# Altium PCB JP-LED.PcbDoc (part 1 of 2)
Units mm, origin at the board's own origin, x right, y up, seen from the top; angles counter-clockwise.
Board outline 116.58 x 76.58 mm, 2 copper layers (Top Layer, Bottom Layer); 109 components, 22 nets, 244 pads, 139 vias.
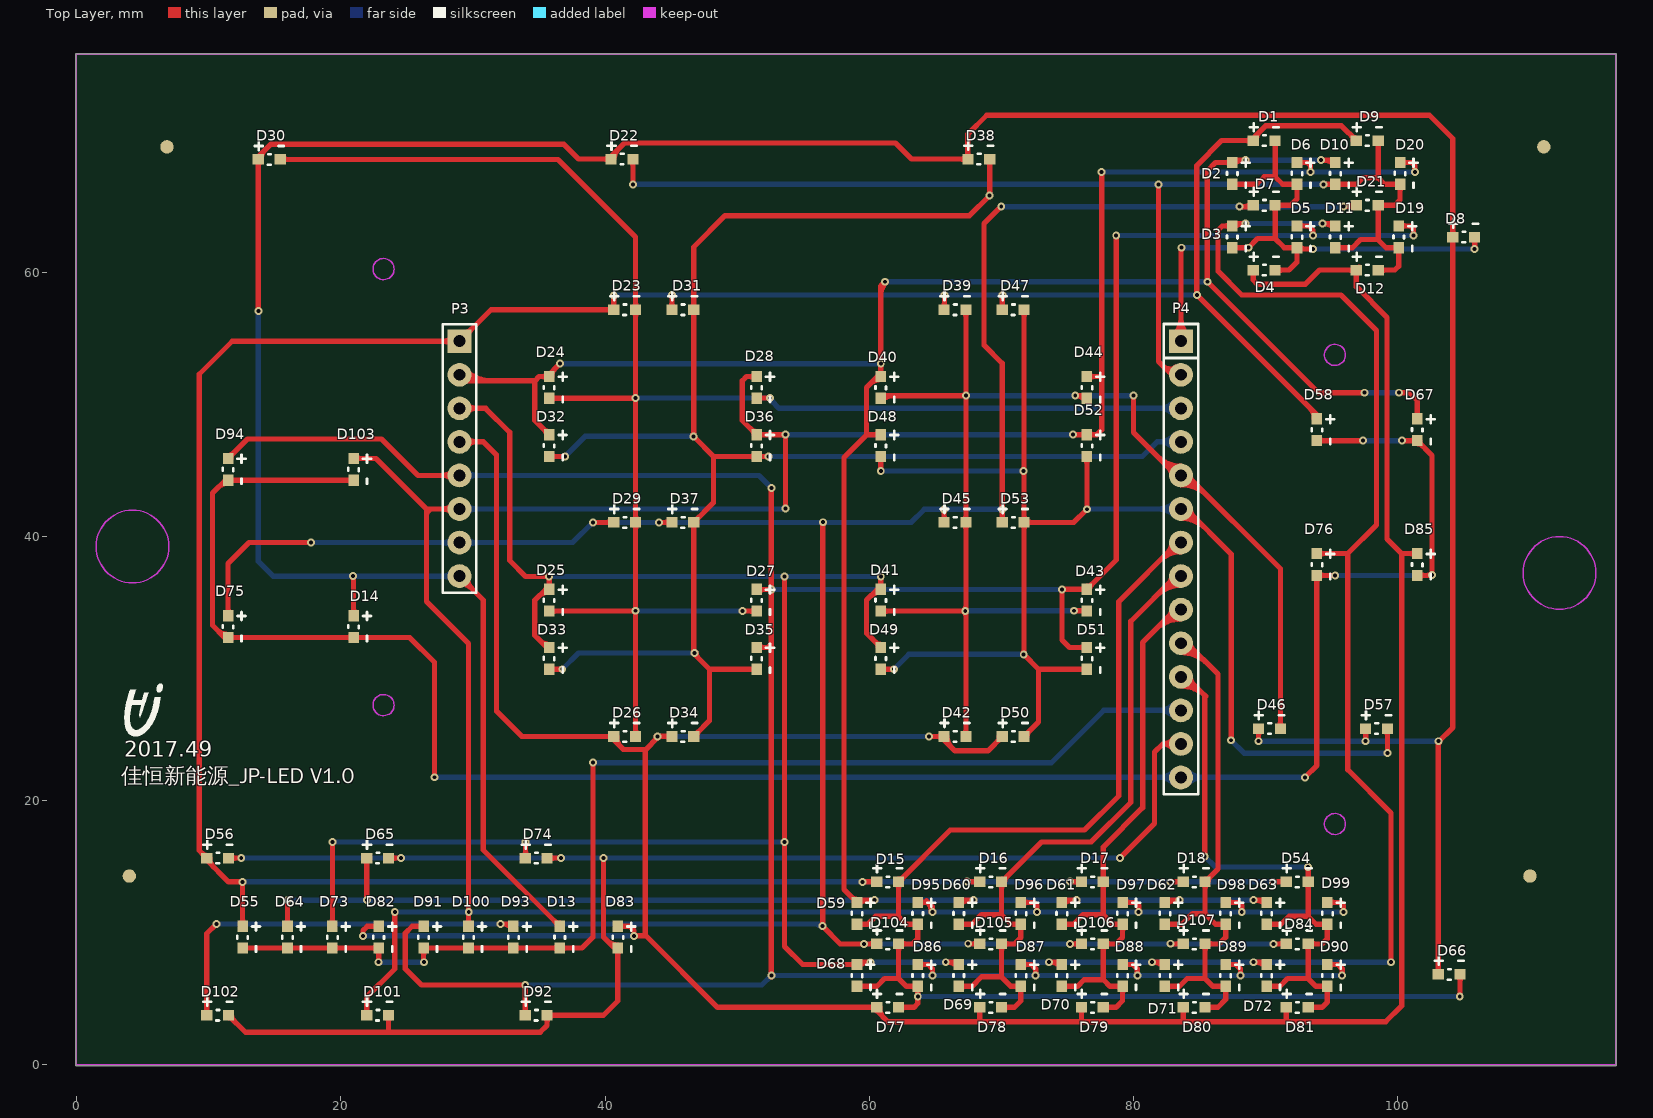
[diagram p0: Top Layer view]
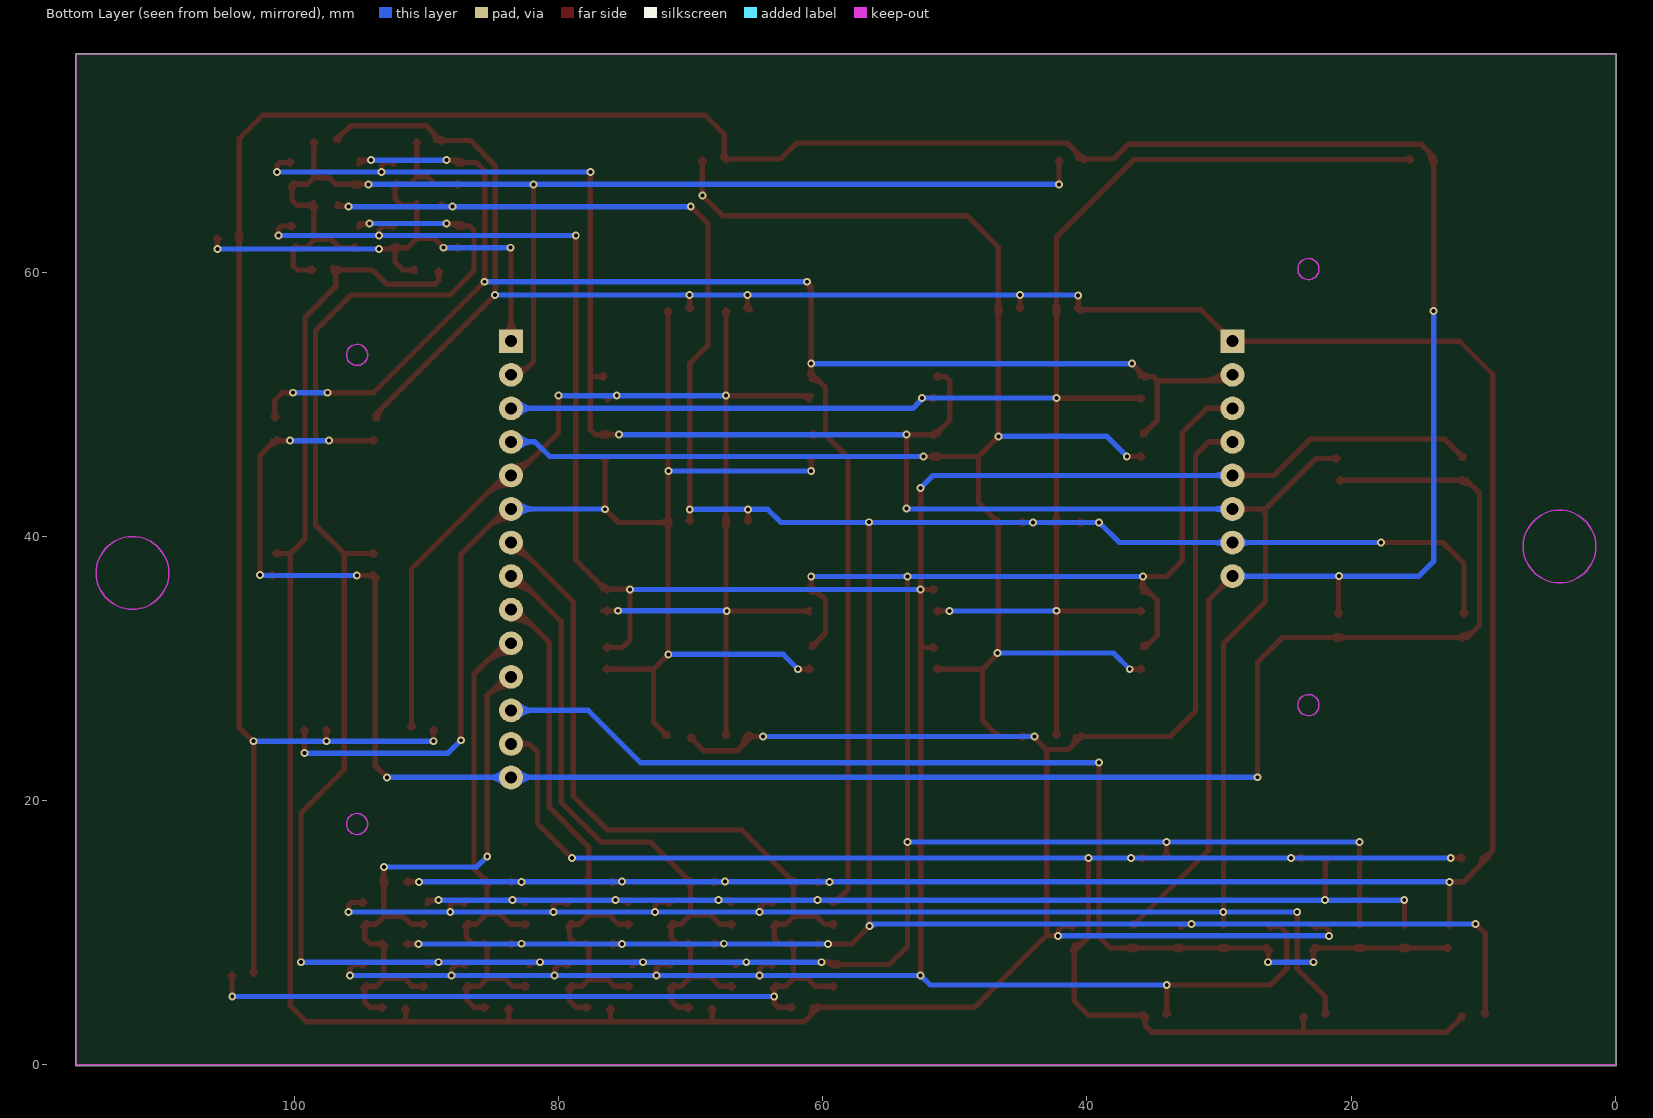
[diagram p1: Bottom Layer view, seen from below]

## Layer stack, top to bottom
Top Solder: solder mask 0.0102, Solder Resist, Dk 3.5
Top Layer: signal copper 0.0356
Dielectric1: dielectric 0.32, FR-4, Dk 4.8
Bottom Layer: signal copper 0.0356
Bottom Solder: solder mask 0.0102, Solder Resist, Dk 3.5

## Board outline
-0.05,0 ccw(c0,0) 0,-0.05 116.476,-0.05 ccw(c116.476,0) 116.526,0 116.526,76.476 ccw(c116.476,76.476) 116.476,76.526 0,76.526 ccw(c0,76.476) -0.05,76.476

## Design rules (kind name [scope] priority, off if disabled: settings)
Clearance [All] p1: gap=0.3
HoleSize [All] p1: absolutevalues=TRUE maxlimit=254 minlimit=0 maxpercent=80.000 minpercent=20.000
MinimumSolderMaskSliver [All] p1 off: minsoldermaskwidth=0.254
PolygonConnect [All] p1: connectstyle=Relief reliefconductorwidth=0.2 reliefentries=4 polygonreliefangle="90 Angle" airgapwidth=0.254
RoutingVias [All] p1: holewidth=0.3 width=0.6 viastyle="Through Hole" minholewidth=0.3 minwidth=0.6 maxholewidth=7 maxwidth=127
SilkToSilkClearance [All] p1 off: silktosilkclearance=0.254
SilkToSolderMaskClearance [IsPad] p1 off: minsilkscreentomaskgap=0.254 clearancetoexposedcopper=TRUE
SolderMaskExpansion [All] p1: expansion=0.102
Width [All] p1: maxlimit=254 minlimit=0.2 preferedwidth=0.3
26 further rules are at their usual default settings.

## Components (designator, comment, footprint, x,y, rotation, side; value= is the part's Value field where it differs from the comment)
D1 "LED" 0603-LED 89.888,69.977 r0 top
D2 "LED" 0603-LED 87.488,67.477 r270 top
D3 "LED" 0603-LED 87.488,62.677 r270 top
D4 "LED" 0603-LED 89.888,60.177 r0 top
D5 "LED" 0603-LED 92.388,62.677 r270 top
D6 "LED" 0603-LED 92.388,67.477 r270 top
D7 "LED" 0603-LED 89.888,65.077 r0 top
D8 "LED" 0603-LED 104.988,62.677 r0 top
D9 "LED" 0603-LED 97.688,69.977 r0 top
D10 "LED" 0603-LED 95.288,67.477 r270 top
D11 "LED" 0603-LED 95.288,62.677 r270 top
D12 "LED" 0603-LED 97.688,60.177 r0 top
D13 "LED" 0603-LED 36.588,9.677 r270 top
D14 "LED" 0603-LED 20.988,33.177 r270 top
D15 "LED" 0603-LED 61.388,13.877 r0 top
D16 "LED" 0603-LED 69.188,13.877 r0 top
D17 "LED" 0603-LED 76.888,13.877 r0 top
D18 "LED" 0603-LED 84.588,13.877 r0 top
D19 "LED" 0603-LED 100.088,62.677 r270 top
D20 "LED" 0603-LED 100.188,67.477 r270 top
D21 "LED" 0603-LED 97.688,65.077 r0 top
D22 "LED" 0603-LED 41.288,68.577 r0 top
D23 "LED" 0603-LED 41.488,57.177 r0 top
D24 "LED" 0603-LED 35.788,51.277 r270 top
D25 "LED" 0603-LED 35.788,35.177 r270 top
D26 "LED" 0603-LED 41.488,24.877 r0 top
D27 "LED" 0603-LED 51.488,35.177 r270 top
D28 "LED" 0603-LED 51.488,51.277 r270 top
D29 "LED" 0603-LED 41.488,41.077 r0 top
D30 "LED" 0603-LED 14.588,68.552 r0 top
D31 "LED" 0603-LED 45.888,57.177 r0 top
D32 "LED" 0603-LED 35.788,46.877 r270 top
D33 "LED" 0603-LED 35.788,30.777 r270 top
D34 "LED" 0603-LED 45.888,24.877 r0 top
D35 "LED" 0603-LED 51.488,30.777 r270 top
D36 "LED" 0603-LED 51.488,46.877 r270 top
D37 "LED" 0603-LED 45.888,41.077 r0 top
D38 "LED" 0603-LED 68.288,68.577 r0 top
D39 "LED" 0603-LED 66.488,57.177 r0 top
D40 "LED" 0603-LED 60.888,51.277 r270 top
D41 "LED" 0603-LED 60.888,35.177 r270 top
D42 "LED" 0603-LED 66.488,24.877 r0 top
D43 "LED" 0603-LED 76.488,35.177 r270 top
D44 "LED" 0603-LED 76.488,51.277 r270 top
D45 "LED" 0603-LED 66.488,41.077 r0 top
D46 "LED" 0603-LED 90.288,25.477 r0 top
D47 "LED" 0603-LED 70.888,57.177 r0 top
D48 "LED" 0603-LED 60.888,46.877 r270 top
D49 "LED" 0603-LED 60.888,30.777 r270 top
D50 "LED" 0603-LED 70.888,24.877 r0 top
D51 "LED" 0603-LED 76.488,30.777 r270 top
D52 "LED" 0603-LED 76.488,46.877 r270 top
D53 "LED" 0603-LED 70.888,41.077 r0 top
D54 "LED" 0603-LED 92.388,13.877 r0 top
D55 "LED" 0603-LED 12.588,9.677 r270 top
D56 "LED" 0603-LED 10.688,15.677 r0 top
D57 "LED" 0603-LED 98.388,25.477 r0 top
D58 "LED" 0603-LED 93.888,48.077 r270 top
D59 "LED" 0603-LED 59.088,11.477 r270 top
D60 "LED" 0603-LED 66.788,11.477 r270 top
D61 "LED" 0603-LED 74.588,11.477 r270 top
D62 "LED" 0603-LED 82.388,11.477 r270 top
D63 "LED" 0603-LED 90.088,11.477 r270 top
D64 "LED" 0603-LED 15.988,9.677 r270 top
D65 "LED" 0603-LED 22.788,15.677 r0 top
D66 "LED" 0603-LED 103.888,6.877 r0 top
D67 "LED" 0603-LED 101.488,48.077 r270 top
D68 "LED" 0603-LED 59.088,6.777 r270 top
D69 "LED" 0603-LED 66.788,6.777 r270 top
D70 "LED" 0603-LED 74.588,6.777 r270 top
D71 "LED" 0603-LED 82.388,6.777 r270 top
D72 "LED" 0603-LED 90.088,6.777 r270 top
D73 "LED" 0603-LED 19.388,9.677 r270 top
D74 "LED" 0603-LED 34.788,15.677 r0 top
D75 "LED" 0603-LED 11.488,33.177 r270 top
D76 "LED" 0603-LED 93.888,37.877 r270 top
D77 "LED" 0603-LED 61.388,4.377 r0 top
D78 "LED" 0603-LED 69.188,4.377 r0 top
D79 "LED" 0603-LED 76.888,4.377 r0 top
D80 "LED" 0603-LED 84.588,4.377 r0 top
D81 "LED" 0603-LED 92.388,4.377 r0 top
D82 "LED" 0603-LED 22.888,9.677 r270 top
D83 "LED" 0603-LED 40.988,9.677 r270 top
D84 "LED" 0603-LED 92.388,9.177 r0 top
D85 "LED" 0603-LED 101.488,37.877 r270 top
D86 "LED" 0603-LED 63.688,6.777 r270 top
D87 "LED" 0603-LED 71.488,6.777 r270 top
D88 "LED" 0603-LED 79.188,6.777 r270 top
D89 "LED" 0603-LED 86.988,6.777 r270 top
D90 "LED" 0603-LED 94.688,6.777 r270 top
D91 "LED" 0603-LED 26.288,9.677 r270 top
D92 "LED" 0603-LED 34.788,3.777 r0 top
D93 "LED" 0603-LED 33.088,9.677 r270 top
D94 "LED" 0603-LED 11.488,45.077 r270 top
D95 "LED" 0603-LED 63.688,11.477 r270 top
D96 "LED" 0603-LED 71.488,11.477 r270 top
D97 "LED" 0603-LED 79.188,11.477 r270 top
D98 "LED" 0603-LED 86.988,11.477 r270 top
D99 "LED" 0603-LED 94.688,11.477 r270 top
D100 "LED" 0603-LED 29.688,9.677 r270 top
D101 "LED" 0603-LED 22.788,3.777 r0 top
D102 "LED" 0603-LED 10.688,3.777 r0 top
D103 "LED" 0603-LED 20.988,45.077 r270 top
D104 "LED" 0603-LED 61.388,9.177 r0 top
D105 "LED" 0603-LED 69.188,9.177 r0 top
D106 "LED" 0603-LED 76.888,9.177 r0 top
D107 "LED" 0603-LED 84.588,9.177 r0 top
P3 "Header 8" HDR1X8 28.988,54.777 r270 top
P4 "Header 14" SIP14 83.588,54.777 r270 top

## Footprints (in the part's own frame and the unit in brackets; to place one, negate y for a bottom-side part, rotate by r counter-clockwise, add the part's x,y. Pads: shape width x height; smd on the part's side, far side on the other; paste and mask are expansions set on the pad)
0603-LED [mm] "Chip Capacitor, 2-Leads, Body 1.6x0.9mm, IPC Medium Density"
  rect 0.85x0.8 smd: 1(-0.826,-0.018) 2(0.826,-0.018)
  silkscreen extent -1.1,-0.42 1.1,1.3, body extent -0.8,-0.42 0.8,0.43, height 0.45
HDR1X8 [mm] "Connector; Header; 8 Position"
  rect 1.8x1.8 hole 0.9: 1(0,0)
  round 1.8 hole 0.9: 2(2.54,0) 3(5.08,0) 4(7.62,0) 5(10.16,0) 6(12.7,0) 7(15.24,0) 8(17.78,0)
  silkscreen extent -1.27,-1.27 19.05,1.27
SIP14 [mm]
  rect 1.8x1.8 hole 0.9: 1(0,0)
  round 1.8 hole 0.9: 2(2.54,0) 3(5.08,0) 4(7.62,0) 5(10.16,0) 6(12.7,0) 7(15.24,0) 8(17.78,0) 9(20.32,0) 10(22.86,0) 11(25.4,0) 12(27.94,0) 13(30.48,0) 14(33.02,0)
  silkscreen extent -1.3,-1.3 34.3,1.3

## Part data
P3: "Header, 8-Pin"
P4: "Header, 14-Pin"

## Free pads (board coordinates)
  round 1.016 smd: 0(4,14.3) 0(6.848,69.483) 0(110,14.3) 0(111.048,69.483)
  round 2.2 on Top Solder: 1(4.025,14.325) 1(6.873,69.508) 1(110.025,14.325) 1(111.073,69.508)

## Via types
v1: diameter 0.6, hole 0.3, Top Layer to Bottom Layer, tented both sides, 139 vias

## Nets (pads, with @x,y where several pads share a name; then routed paths per layer and width w, separated by ;. In a path a pad name is that pad's centre, name@x,y a point inside that pad or via, vN(x,y) a via of type N, cw(c..) or ccw(c..) an arc to the next point about the centre after c; other vN are vias at no path point)
GRID1: D1.2 D2.2 D3.2 D4.2 D5.2 D6.2 D7.2 D8.2 P4.1 | length 72.2
  Top Layer w0.4: P4.1@83.588,54.777 v1@83.588,61.852 ; D3.2@87.47,61.852 v1(88.688,61.852) 89.388,62.552 90.714,62.552 ; D2.2@87.47,66.652 89.314,66.652 89.888,67.226 90.714,67.226 ; D7.2@90.714,65.252 D7.2@90.714,65.059 ; D1.2@90.714,69.959 90.714,67.226 ; D4.2@90.906,60.159 91.77,60.159 92.37,60.759 D5.2@92.37,61.852 91.414,61.852 90.714,62.552 ; D5.2@92.395,61.752 v1(93.588,61.752) ; v1(105.814,61.752) D8.2@105.814,62.659 ; 83.588,56.467 cw(c81.898,56.467) 83.093,55.272 ccw(c81.898,56.467) 83.588,56.467 ; 83.588,56.467 ccw(c85.278,56.467) 84.083,55.272 cw(c85.278,56.467) 83.588,56.467 ; 87.953,61.852 cw(c87.953,62.335) 87.611,61.993 ccw(c87.953,62.335) 87.953,61.852 ; 87.953,61.852 ccw(c87.953,61.369) 87.611,61.71 cw(c87.953,61.369) 87.953,61.852 ; 87.953,66.652 cw(c87.953,67.135) 87.611,66.793 ccw(c87.953,67.135) 87.953,66.652 ; 87.953,66.652 ccw(c87.953,66.169) 87.611,66.51 cw(c87.953,66.169) 87.953,66.652 ; 90.714,62.552 D7.2@90.714,65.059 ; 90.714,64.576 cw(c91.197,64.576) 90.855,64.917 ccw(c91.197,64.576) 90.714,64.576 ; 90.714,64.576 ccw(c90.231,64.576) 90.572,64.917 cw(c90.231,64.576) 90.714,64.576 ; D7.2@90.714,65.059 91.888,65.059 92.37,65.541 D6.2@92.37,66.652 91.288,66.652 90.714,67.226 ; 90.714,69.476 cw(c91.197,69.476) 90.855,69.817 ccw(c91.197,69.476) 90.714,69.476 ; 90.714,69.476 ccw(c90.231,69.476) 90.572,69.817 cw(c90.231,69.476) 90.714,69.476 ; 91.222,60.159 cw(c91.222,60.642) 90.88,60.3 ccw(c91.222,60.642) 91.222,60.159 ; 91.222,60.159 ccw(c91.222,59.676) 90.88,60.017 cw(c91.222,59.676) 91.222,60.159 ; 91.222,65.059 cw(c91.222,65.542) 90.88,65.2 ccw(c91.222,65.542) 91.222,65.059 ; 91.222,65.059 ccw(c91.222,64.576) 90.88,64.917 cw(c91.222,64.576) 91.222,65.059 ; 91.887,61.852 cw(c91.887,61.369) 92.229,61.71 ccw(c91.887,61.369) 91.887,61.852 ; 91.887,61.852 ccw(c91.887,62.335) 92.229,61.993 cw(c91.887,62.335) 91.887,61.852 ; 91.887,66.652 cw(c91.887,66.169) 92.229,66.51 ccw(c91.887,66.169) 91.887,66.652 ; 91.887,66.652 ccw(c91.887,67.135) 92.229,66.793 cw(c91.887,67.135) 91.887,66.652 ; 92.37,61.344 cw(c92.853,61.344) 92.511,61.685 ccw(c92.853,61.344) 92.37,61.344 ; 92.37,61.344 ccw(c91.887,61.344) 92.229,61.685 cw(c91.887,61.344) 92.37,61.344 ; 92.37,66.144 cw(c92.853,66.144) 92.511,66.485 ccw(c92.853,66.144) 92.37,66.144 ; 92.37,66.144 ccw(c91.887,66.144) 92.229,66.485 cw(c91.887,66.144) 92.37,66.144 ; 105.814,62.176 cw(c106.297,62.176) 105.955,62.517 ccw(c106.297,62.176) 105.814,62.176 ; 105.814,62.176 ccw(c105.331,62.176) 105.672,62.517 cw(c105.331,62.176) 105.814,62.176 ; 83.588,61.549 cw(c83.917,61.549) 83.684,61.781 ccw(c83.917,61.549) 83.588,61.549 ; D5.2@92.511,61.968 ccw(c93.034,62.491) 93.034,61.752 cw(c93.034,62.491) D5.2@92.511,61.968
  Bottom Layer w0.4: v1(83.614,61.852) v1(88.688,61.852) ; v1(93.588,61.752) v1@105.763,61.752
GRID2: D9.2 D10.2 D11.2 D12.2 D19.2 D20.2 D21.2 D22.2 P4.2 | length 115
  Top Layer w0.4: v1(42.114,66.652) D22.2@42.114,68.559 ; v1(81.888,66.652) 81.888,53.237 82.888,52.237 P4.2@83.588,52.237 ; v1(94.388,66.652) D10.2@95.27,66.652 96.863,66.652 97.363,67.152 98.514,67.152 ; D11.2@95.27,61.852 96.563,61.852 97.188,62.477 98.488,62.477 ; D12.2@98.514,60.159 99.77,60.159 100.07,60.459 D19.2@100.07,61.852 99.114,61.852 98.514,62.452 D21.2@98.514,65.059 ; D21.2@98.514,65.252 D21.2@98.514,65.059 ; D9.2@98.514,69.959 98.514,67.152 ; 42.114,68.076 cw(c42.597,68.076) 42.255,68.417 ccw(c42.597,68.076) 42.114,68.076 ; 42.114,68.076 ccw(c41.631,68.076) 41.972,68.417 cw(c41.631,68.076) 42.114,68.076 ; 94.787,66.652 cw(c94.787,66.169) 95.129,66.51 ccw(c94.787,66.169) 94.787,66.652 ; 94.787,66.652 ccw(c94.787,67.135) 95.129,66.793 cw(c94.787,67.135) 94.787,66.652 ; 95.753,61.852 cw(c95.753,62.335) 95.411,61.993 ccw(c95.753,62.335) 95.753,61.852 ; 95.753,61.852 ccw(c95.753,61.369) 95.411,61.71 cw(c95.753,61.369) 95.753,61.852 ; 95.753,66.652 cw(c95.753,67.135) 95.411,66.793 ccw(c95.753,67.135) 95.753,66.652 ; 95.753,66.652 ccw(c95.753,66.169) 95.411,66.51 cw(c95.753,66.169) 95.753,66.652 ; 98.514,64.576 cw(c98.997,64.576) 98.655,64.917 ccw(c98.997,64.576) 98.514,64.576 ; 98.514,64.576 ccw(c98.031,64.576) 98.372,64.917 cw(c98.031,64.576) 98.514,64.576 ; D21.2@98.514,65.059 99.77,65.059 100.17,65.459 D20.2@100.17,66.652 99.014,66.652 98.514,67.152 ; 98.514,69.476 cw(c98.997,69.476) 98.655,69.817 ccw(c98.997,69.476) 98.514,69.476 ; 98.514,69.476 ccw(c98.031,69.476) 98.372,69.817 cw(c98.031,69.476) 98.514,69.476 ; 99.022,60.159 cw(c99.022,60.642) 98.68,60.3 ccw(c99.022,60.642) 99.022,60.159 ; 99.022,60.159 ccw(c99.022,59.676) 98.68,60.017 cw(c99.022,59.676) 99.022,60.159 ; 99.022,65.059 cw(c99.022,65.542) 98.68,65.2 ccw(c99.022,65.542) 99.022,65.059 ; 99.022,65.059 ccw(c99.022,64.576) 98.68,64.917 cw(c99.022,64.576) 99.022,65.059 ; 99.587,61.852 cw(c99.587,61.369) 99.929,61.71 ccw(c99.587,61.369) 99.587,61.852 ; 99.587,61.852 ccw(c99.587,62.335) 99.929,61.993 cw(c99.587,62.335) 99.587,61.852 ; 99.687,66.652 cw(c99.687,66.169) 100.029,66.51 ccw(c99.687,66.169) 99.687,66.652 ; 99.687,66.652 ccw(c99.687,67.135) 100.029,66.793 cw(c99.687,67.135) 99.687,66.652 ; 100.07,61.344 cw(c100.553,61.344) 100.211,61.685 ccw(c100.553,61.344) 100.07,61.344 ; 100.07,61.344 ccw(c99.587,61.344) 99.929,61.685 cw(c99.587,61.344) 100.07,61.344 ; 100.17,66.144 cw(c100.653,66.144) 100.311,66.485 ccw(c100.653,66.144) 100.17,66.144 ; 100.17,66.144 ccw(c99.687,66.144) 100.029,66.485 cw(c99.687,66.144) 100.17,66.144 ; 82.238,52.887 ccw(c82.757,53.406) 83.183,52.808 cw(c82.757,53.406) 82.238,52.887 ; 82.573,52.552 ccw(c83.036,53.015) 83.414,52.482 cw(c83.036,53.015) 82.573,52.552
  Bottom Layer w0.4: v1(42.114,66.652) v1(81.888,66.652) v1(94.388,66.652)
GRID3: D23.2 D24.2 D25.2 D26.2 D27.2 D28.2 D29.2 D30.2 P4.3 | length 154.5
  Top Layer w0.4: D30.2@15.414,68.533 36.432,68.533 42.314,62.652 D23.2@42.314,57.159 v1(42.314,50.477) D29.2@42.314,41.059 v1@42.314,34.277 ; D25.2@35.77,34.352 v1@42.239,34.352 ; D24.2@35.77,50.452 40.288,50.452 ; 40.763,50.452 40.288,50.452 ; 42.011,34.352 ccw(c42.011,34.68) v1@42.243,34.448 ; v1@42.239,34.277 v1@42.314,34.277 ; v1@42.239,50.452 40.288,50.452 ; D26.2@42.314,24.859 v1@42.314,34.277 ; v1(50.414,34.352) D27.2@51.47,34.352 ; D28.2@51.495,50.477 v1(52.488,50.477) ; 15.922,68.533 cw(c15.922,69.016) 15.58,68.675 ccw(c15.922,69.016) 15.922,68.533 ; 15.922,68.533 ccw(c15.922,68.051) 15.58,68.392 cw(c15.922,68.051) 15.922,68.533 ; 36.253,34.352 cw(c36.253,34.835) 35.911,34.493 ccw(c36.253,34.835) 36.253,34.352 ; 36.253,34.352 ccw(c36.253,33.869) 35.911,34.21 cw(c36.253,33.869) 36.253,34.352 ; 36.253,50.452 cw(c36.253,50.935) 35.911,50.593 ccw(c36.253,50.935) 36.253,50.452 ; 36.253,50.452 ccw(c36.253,49.969) 35.911,50.31 cw(c36.253,49.969) 36.253,50.452 ; 42.314,25.342 cw(c41.831,25.342) 42.172,25 ccw(c41.831,25.342) 42.314,25.342 ; 42.314,25.342 ccw(c42.797,25.342) 42.455,25 cw(c42.797,25.342) 42.314,25.342 ; 42.314,40.576 cw(c42.797,40.576) 42.455,40.917 ccw(c42.797,40.576) 42.314,40.576 ; 42.314,40.576 ccw(c41.831,40.576) 42.172,40.917 cw(c41.831,40.576) 42.314,40.576 ; 42.314,41.542 cw(c41.831,41.542) 42.172,41.2 ccw(c41.831,41.542) 42.314,41.542 ; 42.314,41.542 ccw(c42.797,41.542) 42.455,41.2 cw(c42.797,41.542) 42.314,41.542 ; 42.314,56.676 cw(c42.797,56.676) 42.455,57.017 ccw(c42.797,56.676) 42.314,56.676 ; 42.314,56.676 ccw(c41.831,56.676) 42.172,57.017 cw(c41.831,56.676) 42.314,56.676 ; 42.314,57.642 cw(c41.831,57.642) 42.172,57.3 ccw(c41.831,57.642) 42.314,57.642 ; 42.314,57.642 ccw(c42.797,57.642) 42.455,57.3 cw(c42.797,57.642) 42.314,57.642 ; 50.987,34.352 cw(c50.987,33.869) 51.329,34.21 ccw(c50.987,33.869) 50.987,34.352 ; 50.987,34.352 ccw(c50.987,34.835) 51.329,34.493 cw(c50.987,34.835) 50.987,34.352 ; 42.011,50.452 ccw(c42.011,50.78) 42.243,50.548 cw(c42.011,50.78) 42.011,50.452 ; D28.2@51.611,50.335 cw(c51.954,49.993) 51.954,50.477 ccw(c51.954,49.993) D28.2@51.611,50.335 ; D28.2@51.611,50.618 ccw(c51.952,50.958) 51.952,50.477 cw(c51.952,50.958) D28.2@51.611,50.618
  Bottom Layer w0.4: v1@42.314,34.352 v1(50.414,34.352) v1@50.463,34.352 ; v1(42.314,50.477) v1(52.488,50.477) ; v1@42.384,34.448 ccw(c42.617,34.68) 42.617,34.352 ; v1@52.588,50.277 53.168,49.697 P4.3@83.588,49.697 ; 81.898,49.697 cw(c81.898,48.007) 83.093,49.202 ccw(c81.898,48.007) 81.898,49.697 ; 81.898,49.697 ccw(c81.898,51.387) 83.093,50.192 cw(c81.898,51.387) 81.898,49.697 ; v1@52.588,50.477 ccw(c53.071,50.477) 52.73,50.136 cw(c53.071,50.477) v1@52.588,50.477
  other v1: 42.314,34.377
GRID4: D31.2 D32.2 D33.2 D34.2 D35.2 D36.2 D37.2 D38.2 P4.4 | length 153.9
  Top Layer w0.4: D33.2@35.77,29.952 v1(36.763,29.952) ; D32.2@35.77,46.052 v1(36.988,46.052) ; D34.2@46.714,24.859 D34.2@46.888,24.859 ; D34.2@46.888,25.033 47.914,26.059 47.914,29.952 ; D35.2@51.47,29.952 47.914,29.952 ; v1(52.363,46.052) D36.2@51.47,46.052 48.214,46.052 ; D38.2@69.114,68.559 v1(69.114,65.803) 67.588,64.277 49.088,64.277 46.714,61.903 D31.2@46.714,57.159 46.714,47.552 48.214,46.052 ; P4.4@82.988,47.157 P4.4@83.588,47.157 ; 36.253,29.952 cw(c36.253,30.435) 35.911,30.093 ccw(c36.253,30.435) 36.253,29.952 ; 36.253,29.952 ccw(c36.253,29.469) 35.911,29.81 cw(c36.253,29.469) 36.253,29.952 ; 36.253,46.052 cw(c36.253,46.535) 35.911,46.193 ccw(c36.253,46.535) 36.253,46.052 ; 36.253,46.052 ccw(c36.253,45.569) 35.911,45.91 cw(c36.253,45.569) 36.253,46.052 ; 46.714,40.576 cw(c47.197,40.576) 46.855,40.917 ccw(c47.197,40.576) 46.714,40.576 ; 46.714,40.576 ccw(c46.231,40.576) 46.572,40.917 cw(c46.231,40.576) 46.714,40.576 ; 46.714,56.676 cw(c47.197,56.676) 46.855,57.017 ccw(c47.197,56.676) 46.714,56.676 ; 46.714,56.676 ccw(c46.231,56.676) 46.572,57.017 cw(c46.231,56.676) 46.714,56.676 ; 46.714,57.642 cw(c46.231,57.642) 46.572,57.3 ccw(c46.231,57.642) 46.714,57.642 ; 46.714,57.642 ccw(c47.197,57.642) 46.855,57.3 cw(c47.197,57.642) 46.714,57.642 ; 47.914,29.952 46.714,31.152 D37.2@46.714,41.059 48.214,42.559 48.214,46.052 ; 50.987,29.952 cw(c50.987,29.469) 51.329,29.81 ccw(c50.987,29.469) 50.987,29.952 ; 50.987,29.952 ccw(c50.987,30.435) 51.329,30.093 cw(c50.987,30.435) 50.987,29.952 ; 50.987,46.052 cw(c50.987,45.569) 51.329,45.91 ccw(c50.987,45.569) 50.987,46.052 ; 50.987,46.052 ccw(c50.987,46.535) 51.329,46.193 cw(c50.987,46.535) 50.987,46.052 ; 51.953,46.052 cw(c51.953,46.535) 51.611,46.193 ccw(c51.953,46.535) 51.953,46.052 ; 51.953,46.052 ccw(c51.953,45.569) 51.611,45.91 cw(c51.953,45.569) 51.953,46.052 ; 69.114,68.076 cw(c69.597,68.076) 69.255,68.417 ccw(c69.597,68.076) 69.114,68.076 ; 69.114,68.076 ccw(c68.631,68.076) 68.972,68.417 cw(c68.631,68.076) 69.114,68.076 ; v1@46.617,47.648 ccw(c46.385,47.88) 46.714,47.88 cw(c46.385,47.88) v1@46.617,47.648 ; 46.714,31.598 ccw(c47.209,31.598) 46.859,31.248 cw(c47.209,31.598) 46.714,31.598 ; D34.2@46.739,25.059 ccw(c46.739,25.481) 47.037,25.183 cw(c46.739,25.481) D34.2@46.739,25.059 ; D37.2@46.739,41.259 ccw(c46.739,41.681) 47.037,41.383 cw(c46.739,41.681) D37.2@46.739,41.259 ; v1@46.888,31.177 ccw(c47.371,31.177) 47.03,30.836 cw(c47.371,31.177) v1@46.888,31.177 ; D34.2@46.939,24.859 cw(c47.482,24.859) 47.098,25.243 ccw(c47.482,24.859) D34.2@46.939,24.859 ; D37.2@46.939,41.059 cw(c47.482,41.059) 47.098,41.443 ccw(c47.482,41.059) D37.2@46.939,41.059